# Altium PCB PCB1.PcbDoc (part 1 of 15) (continued)
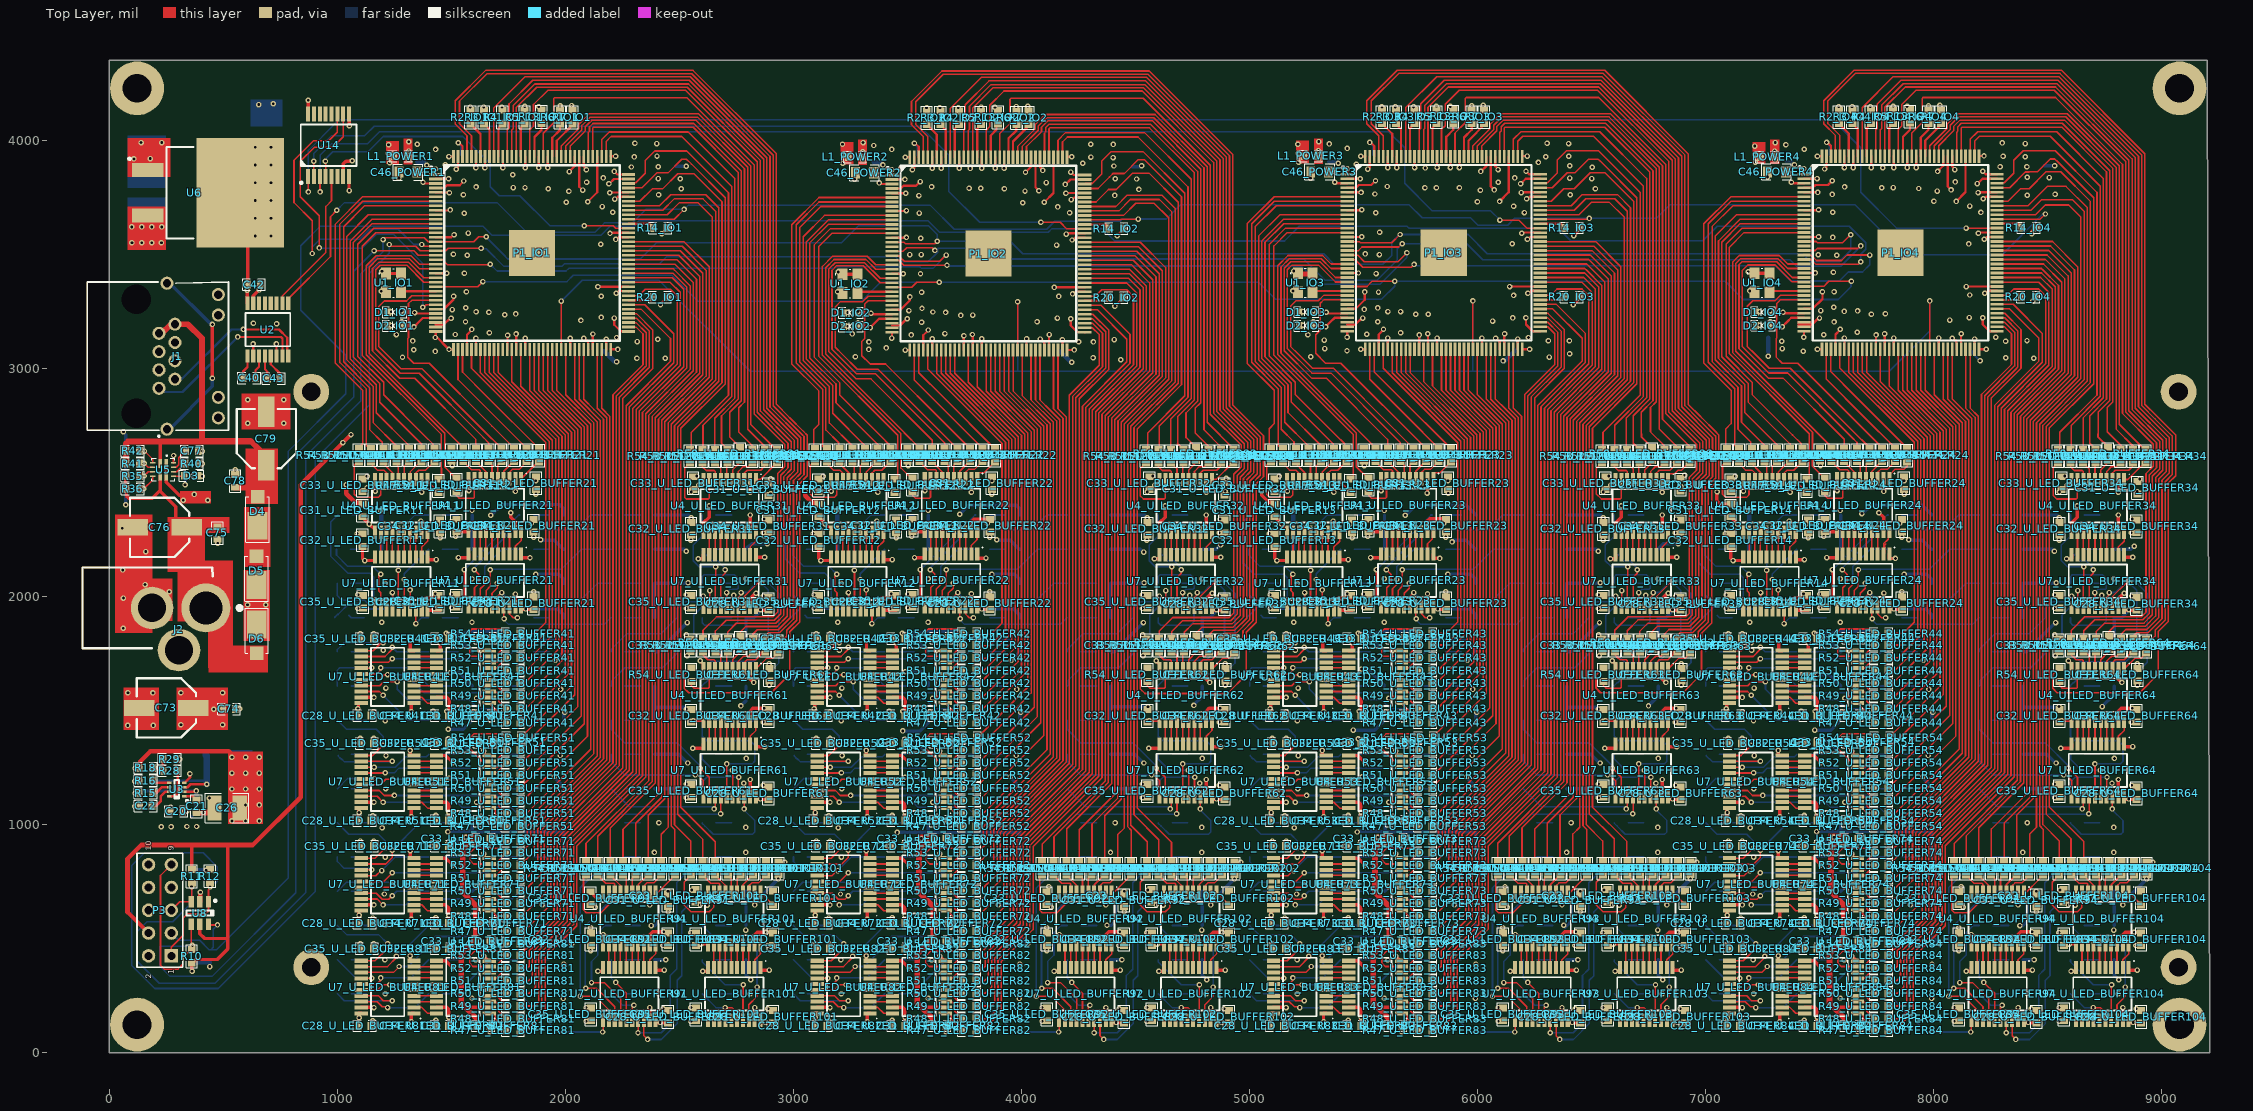
[diagram p0: Top Layer view]
## Components (designator, comment, footprint, x,y, rotation, side; value= is the part's Value field where it differs from the comment)
C1_IO1 "0.1uF/16V" 0603C 1190.83,3381.42 r90 bottom
C1_IO2 "0.1uF/16V" 0603C 3191.93,3378.82 r90 bottom
C1_IO3 "0.1uF/16V" 0603C 5188.83,3382.27 r90 bottom
C1_IO4 "0.1uF/16V" 0603C 7191.83,3382.42 r90 bottom
C2_POWER1 "0.01uF/16V" 0603C 1323.83,3905.87 r0 bottom
C2_POWER2 "0.01uF/16V" 0603C 3324.93,3903.27 r0 bottom
C2_POWER3 "0.01uF/16V" 0603C 5321.83,3906.72 r0 bottom
C2_POWER4 "0.01uF/16V" 0603C 7324.83,3906.87 r0 bottom
C3_POWER1 "0.01uF/16V" 0603C 2093.83,3862.42 r270 bottom
C3_POWER2 "0.01uF/16V" 0603C 4094.93,3859.82 r270 bottom
C3_POWER3 "0.01uF/16V" 0603C 6091.83,3863.27 r270 bottom
C3_POWER4 "0.01uF/16V" 0603C 8094.83,3863.42 r270 bottom
C4_POWER1 "0.1uF/16V" 0603C 2349.83,3985.87 r0 bottom
C4_POWER2 "0.1uF/16V" 0603C 4350.93,3983.27 r0 bottom
C4_POWER3 "0.1uF/16V" 0603C 6347.83,3986.72 r0 bottom
C4_POWER4 "0.1uF/16V" 0603C 8350.83,3986.87 r0 bottom
C5_POWER1 "0.1uF/16V" 0603C 1323.83,3960.87 r0 bottom
C5_POWER2 "0.1uF/16V" 0603C 3324.93,3958.27 r0 bottom
C5_POWER3 "0.1uF/16V" 0603C 5321.83,3961.72 r0 bottom
C5_POWER4 "0.1uF/16V" 0603C 7324.83,3961.87 r0 bottom
C6_POWER1 "0.1uF/16V" 0603C 1458.83,3940.87 r180 bottom
C6_POWER2 "0.1uF/16V" 0603C 3459.93,3938.27 r180 bottom
C6_POWER3 "0.1uF/16V" 0603C 5456.83,3941.72 r180 bottom
C6_POWER4 "0.1uF/16V" 0603C 7459.83,3941.87 r180 bottom
C7_POWER1 "0.47uF/16V" 0603C 2362.83,3118.87 r180 bottom
C7_POWER2 "0.47uF/16V" 0603C 4363.93,3116.27 r180 bottom
C7_POWER3 "0.47uF/16V" 0603C 6360.83,3119.72 r180 bottom
C7_POWER4 "0.47uF/16V" 0603C 8363.83,3119.87 r180 bottom
C9_POWER1 "0.1uF/16V" 0603C 1543.65,3908.54 r90 bottom
C9_POWER2 "0.1uF/16V" 0603C 3544.75,3905.94 r90 bottom
C9_POWER3 "0.1uF/16V" 0603C 5541.65,3909.39 r90 bottom
C9_POWER4 "0.1uF/16V" 0603C 7544.65,3909.54 r90 bottom
C10_POWER1 "10uF/25V" 0805C 2377.83,3045.87 r0 bottom
C10_POWER2 "10uF/25V" 0805C 4378.93,3043.27 r0 bottom
C10_POWER3 "10uF/25V" 0805C 6375.83,3046.72 r0 bottom
C10_POWER4 "10uF/25V" 0805C 8378.83,3046.87 r0 bottom
C11_POWER1 "22uF/10V" 0603C 2349.83,3927.87 r180 bottom
C11_POWER2 "22uF/10V" 0603C 4350.93,3925.27 r180 bottom
C11_POWER3 "22uF/10V" 0603C 6347.83,3928.72 r180 bottom
C11_POWER4 "22uF/10V" 0603C 8350.83,3928.87 r180 bottom
C12_POWER1 "0.1uF/16V" 0603C 1457.83,3878.87 r0 bottom
C12_POWER2 "0.1uF/16V" 0603C 3458.93,3876.27 r0 bottom
C12_POWER3 "0.1uF/16V" 0603C 5455.83,3879.72 r0 bottom
C12_POWER4 "0.1uF/16V" 0603C 7458.83,3879.87 r0 bottom
C13_POWER1 "0.1uF/16V" 0603C 1429.83,3119.87 r270 bottom
C13_POWER2 "0.1uF/16V" 0603C 3430.93,3117.27 r270 bottom
C13_POWER3 "0.1uF/16V" 0603C 5427.83,3120.72 r270 bottom
C13_POWER4 "0.1uF/16V" 0603C 7430.83,3120.87 r270 bottom
C15_POWER1 "0.1uF/16V" 0603C 2230.83,3710.87 r270 bottom
C15_POWER2 "0.1uF/16V" 0603C 4231.93,3708.27 r270 bottom
C15_POWER3 "0.1uF/16V" 0603C 6228.83,3711.72 r270 bottom
C15_POWER4 "0.1uF/16V" 0603C 8231.83,3711.87 r270 bottom
C16_POWER1 "0.1uF/16V" 0603C 1518.83,3336.87 r0 bottom
C16_POWER2 "0.1uF/16V" 0603C 3519.93,3334.27 r0 bottom
C16_POWER3 "0.1uF/16V" 0603C 5516.83,3337.72 r0 bottom
C16_POWER4 "0.1uF/16V" 0603C 7519.83,3337.87 r0 bottom
C17_POWER1 "0.1uF/16V" 0603C 1495.83,3120.87 r90 bottom
C17_POWER2 "0.1uF/16V" 0603C 3496.93,3118.27 r90 bottom
C17_POWER3 "0.1uF/16V" 0603C 5493.83,3121.72 r90 bottom
C17_POWER4 "0.1uF/16V" 0603C 7496.83,3121.87 r90 bottom
C18 "1uF/16V" 0603C 160.02,1192.13 r180 bottom
C19 "22uF/25V" 1210C 304.82,1032.33 r0 bottom
C20 "0.1uF/50V" 0603C 293.22,1057.83 r0 top
C21 "1nF/63V" 0603C 382.82,1080.39 r90 top
C22 "6.8nF/50V" 0603C 160.02,1081.65 r0 top
C23_POWER1 "0.1uF/16V" 0603C 1785.83,3190.87 r90 bottom
C23_POWER2 "0.1uF/16V" 0603C 3786.93,3188.27 r90 bottom
C23_POWER3 "0.1uF/16V" 0603C 5783.83,3191.72 r90 bottom
C23_POWER4 "0.1uF/16V" 0603C 7786.83,3191.87 r90 bottom
C24_POWER1 "0.1uF/16V" 0603C 2247.83,3108.31 r90 bottom
C24_POWER2 "0.1uF/16V" 0603C 4248.93,3105.71 r90 bottom
C24_POWER3 "0.1uF/16V" 0603C 6245.83,3109.16 r90 bottom
C24_POWER4 "0.1uF/16V" 0603C 8248.83,3109.31 r90 bottom
C25 "10pF/50V" 0603C 160.32,1248.03 r0 bottom
C26 "22uF/25V" 1210C 516.74,1072.43 r0 top value=2.2uF/50V
C27 "22uF/25V" 1210C 516.74,1072.43 r0 bottom value=10uF/63V
C28_U_LED_BUFFER11 "0.1uF/16V" 0603C 1444.56,1977.4 r90 top
C28_U_LED_BUFFER12 "0.1uF/16V" 0603C 3444.56,1977.4 r90 top
C28_U_LED_BUFFER13 "0.1uF/16V" 0603C 5444.56,1977.4 r90 top
C28_U_LED_BUFFER14 "0.1uF/16V" 0603C 7444.56,1977.4 r90 top
C28_U_LED_BUFFER21 "0.1uF/16V" 0603C 1861.23,1970.5 r90 top
C28_U_LED_BUFFER22 "0.1uF/16V" 0603C 3861.23,1970.5 r90 top
C28_U_LED_BUFFER23 "0.1uF/16V" 0603C 5861.23,1970.5 r90 top
C28_U_LED_BUFFER24 "0.1uF/16V" 0603C 7861.23,1970.5 r90 top
C28_U_LED_BUFFER31 "0.1uF/16V" 0603C 2890.63,1967.16 r90 top
C28_U_LED_BUFFER32 "0.1uF/16V" 0603C 4890.63,1967.16 r90 top
C28_U_LED_BUFFER33 "0.1uF/16V" 0603C 6890.63,1967.16 r90 top
C28_U_LED_BUFFER34 "0.1uF/16V" 0603C 8890.63,1967.16 r90 top
C28_U_LED_BUFFER41 "0.1uF/16V" 0603C 1120.63,1477.16 r0 top
C28_U_LED_BUFFER42 "0.1uF/16V" 0603C 3120.63,1477.16 r0 top
C28_U_LED_BUFFER43 "0.1uF/16V" 0603C 5120.63,1477.16 r0 top
C28_U_LED_BUFFER44 "0.1uF/16V" 0603C 7120.63,1477.16 r0 top
C28_U_LED_BUFFER51 "0.1uF/16V" 0603C 1120.63,1017.16 r0 top
C28_U_LED_BUFFER52 "0.1uF/16V" 0603C 3120.63,1017.16 r0 top
C28_U_LED_BUFFER53 "0.1uF/16V" 0603C 5120.63,1017.16 r0 top
C28_U_LED_BUFFER54 "0.1uF/16V" 0603C 7120.63,1017.16 r0 top
C28_U_LED_BUFFER61 "0.1uF/16V" 0603C 2890.63,1137.16 r90 top
C28_U_LED_BUFFER62 "0.1uF/16V" 0603C 4890.63,1137.16 r90 top
C28_U_LED_BUFFER63 "0.1uF/16V" 0603C 6890.63,1137.16 r90 top
C28_U_LED_BUFFER64 "0.1uF/16V" 0603C 8890.63,1137.16 r90 top
C28_U_LED_BUFFER71 "0.1uF/16V" 0603C 1120.63,567.16 r0 top
C28_U_LED_BUFFER72 "0.1uF/16V" 0603C 3120.63,567.16 r0 top
C28_U_LED_BUFFER73 "0.1uF/16V" 0603C 5120.63,567.16 r0 top
C28_U_LED_BUFFER74 "0.1uF/16V" 0603C 7120.63,567.16 r0 top
C28_U_LED_BUFFER81 "0.1uF/16V" 0603C 1120.63,117.16 r0 top
C28_U_LED_BUFFER82 "0.1uF/16V" 0603C 3120.63,117.16 r0 top
C28_U_LED_BUFFER83 "0.1uF/16V" 0603C 5120.63,117.16 r0 top
C28_U_LED_BUFFER84 "0.1uF/16V" 0603C 7120.63,117.16 r0 top
C28_U_LED_BUFFER91 "0.1uF/16V" 0603C 2450.63,157.16 r90 top
C28_U_LED_BUFFER92 "0.1uF/16V" 0603C 4450.63,157.16 r90 top
C28_U_LED_BUFFER93 "0.1uF/16V" 0603C 6450.63,157.16 r90 top
C28_U_LED_BUFFER94 "0.1uF/16V" 0603C 8450.63,157.16 r90 top
C28_U_LED_BUFFER101 "0.1uF/16V" 0603C 2910.63,157.16 r90 top
C28_U_LED_BUFFER102 "0.1uF/16V" 0603C 4910.63,157.16 r90 top
C28_U_LED_BUFFER103 "0.1uF/16V" 0603C 6910.63,157.16 r90 top
C28_U_LED_BUFFER104 "0.1uF/16V" 0603C 8910.63,157.16 r90 top
C29 "22uF/25V" 1210C 169.61,3770.31 r270 bottom value=0.1uF/16V
C30 "22uF/25V" 1210C 689.61,4050.31 r270 bottom
C31_U_LED_BUFFER11 "0.1uF/16V" 0603C 1110.63,2377.16 r90 top
C31_U_LED_BUFFER12 "0.1uF/16V" 0603C 3110.63,2377.16 r90 top
C31_U_LED_BUFFER13 "0.1uF/16V" 0603C 5110.63,2377.16 r90 top
C31_U_LED_BUFFER14 "0.1uF/16V" 0603C 7110.63,2377.16 r90 top
C31_U_LED_BUFFER21 "0.1uF/16V" 0603C 1870.63,2497.16 r270 top
C31_U_LED_BUFFER22 "0.1uF/16V" 0603C 3870.63,2497.16 r270 top
C31_U_LED_BUFFER23 "0.1uF/16V" 0603C 5870.63,2497.16 r270 top
C31_U_LED_BUFFER24 "0.1uF/16V" 0603C 7870.63,2497.16 r270 top
C31_U_LED_BUFFER31 "0.1uF/16V" 0603C 2890.63,2469.69 r270 top
C31_U_LED_BUFFER32 "0.1uF/16V" 0603C 4890.63,2471.54 r270 top
C31_U_LED_BUFFER33 "0.1uF/16V" 0603C 6891.2,2490.63 r270 top
C31_U_LED_BUFFER34 "0.1uF/16V" 0603C 8893.67,2476.88 r270 top
C31_U_LED_BUFFER41 "0.1uF/16V" 0603C 1640.63,1477.16 r180 top
C31_U_LED_BUFFER42 "0.1uF/16V" 0603C 3640.63,1477.16 r180 top
C31_U_LED_BUFFER43 "0.1uF/16V" 0603C 5640.63,1477.16 r180 top
C31_U_LED_BUFFER44 "0.1uF/16V" 0603C 7640.63,1477.16 r180 top
C31_U_LED_BUFFER51 "0.1uF/16V" 0603C 1647.56,1015.35 r180 top
C31_U_LED_BUFFER52 "0.1uF/16V" 0603C 3647.56,1015.35 r180 top
C31_U_LED_BUFFER53 "0.1uF/16V" 0603C 5647.56,1015.35 r180 top
C31_U_LED_BUFFER54 "0.1uF/16V" 0603C 7647.56,1015.35 r180 top
C31_U_LED_BUFFER61 "0.1uF/16V" 0603C 2895.08,1657.16 r270 top
C31_U_LED_BUFFER62 "0.1uF/16V" 0603C 4895.08,1657.16 r270 top
C31_U_LED_BUFFER63 "0.1uF/16V" 0603C 6895.08,1657.16 r270 top
C31_U_LED_BUFFER64 "0.1uF/16V" 0603C 8895.08,1657.16 r270 top
C31_U_LED_BUFFER71 "0.1uF/16V" 0603C 1650.63,567.16 r180 top
C31_U_LED_BUFFER72 "0.1uF/16V" 0603C 3650.63,567.16 r180 top
C31_U_LED_BUFFER73 "0.1uF/16V" 0603C 5650.63,567.16 r180 top
C31_U_LED_BUFFER74 "0.1uF/16V" 0603C 7650.63,567.16 r180 top
C31_U_LED_BUFFER81 "0.1uF/16V" 0603C 1640.63,117.16 r180 top
C31_U_LED_BUFFER82 "0.1uF/16V" 0603C 3640.63,117.16 r180 top
C31_U_LED_BUFFER83 "0.1uF/16V" 0603C 5640.63,117.16 r180 top
C31_U_LED_BUFFER84 "0.1uF/16V" 0603C 7640.63,117.16 r180 top
C31_U_LED_BUFFER91 "0.1uF/16V" 0603C 2450.63,667.16 r270 top
C31_U_LED_BUFFER92 "0.1uF/16V" 0603C 4450.63,667.16 r270 top
C31_U_LED_BUFFER93 "0.1uF/16V" 0603C 6450.63,667.16 r270 top
C31_U_LED_BUFFER94 "0.1uF/16V" 0603C 8450.63,667.16 r270 top
C31_U_LED_BUFFER101 "0.1uF/16V" 0603C 2935.08,807.16 r270 top
C31_U_LED_BUFFER102 "0.1uF/16V" 0603C 4935.08,807.16 r270 top
C31_U_LED_BUFFER103 "0.1uF/16V" 0603C 6935.08,807.16 r270 top
C31_U_LED_BUFFER104 "0.1uF/16V" 0603C 8935.08,807.16 r270 top
C32_U_LED_BUFFER11 "0.1uF/16V" 0603C 1110.63,2247.16 r270 top
C32_U_LED_BUFFER12 "0.1uF/16V" 0603C 3110.63,2247.16 r270 top
C32_U_LED_BUFFER13 "0.1uF/16V" 0603C 5110.63,2247.16 r270 top
C32_U_LED_BUFFER14 "0.1uF/16V" 0603C 7110.63,2247.16 r270 top
C32_U_LED_BUFFER21 "0.1uF/16V" 0603C 1522.87,2311.25 r270 top
C32_U_LED_BUFFER22 "0.1uF/16V" 0603C 3522.87,2311.25 r270 top
C32_U_LED_BUFFER23 "0.1uF/16V" 0603C 5522.87,2311.25 r270 top
C32_U_LED_BUFFER24 "0.1uF/16V" 0603C 7522.87,2311.25 r270 top
C32_U_LED_BUFFER31 "0.1uF/16V" 0603C 2552.27,2297.16 r270 top
C32_U_LED_BUFFER32 "0.1uF/16V" 0603C 4552.27,2297.16 r270 top
C32_U_LED_BUFFER33 "0.1uF/16V" 0603C 6552.27,2297.16 r270 top
C32_U_LED_BUFFER34 "0.1uF/16V" 0603C 8552.27,2297.16 r270 top
C32_U_LED_BUFFER41 "0.1uF/16V" 0603C 1461.38,1815.53 r180 top
C32_U_LED_BUFFER42 "0.1uF/16V" 0603C 3461.38,1815.53 r180 top
C32_U_LED_BUFFER43 "0.1uF/16V" 0603C 5461.38,1815.53 r180 top
C32_U_LED_BUFFER44 "0.1uF/16V" 0603C 7461.38,1815.53 r180 top
C32_U_LED_BUFFER51 "0.1uF/16V" 0603C 1460.63,1355.53 r180 top
C32_U_LED_BUFFER52 "0.1uF/16V" 0603C 3460.63,1355.53 r180 top
C32_U_LED_BUFFER53 "0.1uF/16V" 0603C 5460.63,1355.53 r180 top
C32_U_LED_BUFFER54 "0.1uF/16V" 0603C 7460.63,1355.53 r180 top
C32_U_LED_BUFFER61 "0.1uF/16V" 0603C 2552.27,1477.16 r270 top
C32_U_LED_BUFFER62 "0.1uF/16V" 0603C 4552.27,1477.16 r270 top
C32_U_LED_BUFFER63 "0.1uF/16V" 0603C 6552.27,1477.16 r270 top
C32_U_LED_BUFFER64 "0.1uF/16V" 0603C 8552.27,1477.16 r270 top
C32_U_LED_BUFFER71 "0.1uF/16V" 0603C 1460.63,905.53 r180 top
C32_U_LED_BUFFER72 "0.1uF/16V" 0603C 3460.63,905.53 r180 top
C32_U_LED_BUFFER73 "0.1uF/16V" 0603C 5460.63,905.53 r180 top
C32_U_LED_BUFFER74 "0.1uF/16V" 0603C 7460.63,905.53 r180 top
C32_U_LED_BUFFER81 "0.1uF/16V" 0603C 1460.63,455.53 r180 top
C32_U_LED_BUFFER82 "0.1uF/16V" 0603C 3460.63,455.53 r180 top
C32_U_LED_BUFFER83 "0.1uF/16V" 0603C 5460.63,455.53 r180 top
C32_U_LED_BUFFER84 "0.1uF/16V" 0603C 7460.63,455.53 r180 top
C32_U_LED_BUFFER91 "0.1uF/16V" 0603C 2112.27,497.16 r270 top
C32_U_LED_BUFFER92 "0.1uF/16V" 0603C 4112.27,497.16 r270 top
C32_U_LED_BUFFER93 "0.1uF/16V" 0603C 6112.27,497.16 r270 top
C32_U_LED_BUFFER94 "0.1uF/16V" 0603C 8112.27,497.16 r270 top
C32_U_LED_BUFFER101 "0.1uF/16V" 0603C 2572.27,497.16 r270 top
C32_U_LED_BUFFER102 "0.1uF/16V" 0603C 4572.27,497.16 r270 top
C32_U_LED_BUFFER103 "0.1uF/16V" 0603C 6572.27,497.16 r270 top
C32_U_LED_BUFFER104 "0.1uF/16V" 0603C 8572.27,497.16 r270 top
C33_U_LED_BUFFER11 "1uF/16V" 0603C 1110.63,2487.16 r90 top
C33_U_LED_BUFFER12 "1uF/16V" 0603C 3110.63,2487.16 r90 top
C33_U_LED_BUFFER13 "1uF/16V" 0603C 5110.63,2487.16 r90 top
C33_U_LED_BUFFER14 "1uF/16V" 0603C 7110.63,2487.16 r90 top
C33_U_LED_BUFFER21 "1uF/16V" 0603C 1501.23,2620.5 r270 top
C33_U_LED_BUFFER22 "1uF/16V" 0603C 3501.23,2620.5 r270 top
C33_U_LED_BUFFER23 "1uF/16V" 0603C 5501.23,2620.5 r270 top
C33_U_LED_BUFFER24 "1uF/16V" 0603C 7501.23,2620.5 r270 top
C33_U_LED_BUFFER31 "1uF/16V" 0603C 2560.89,2497.16 r270 top
C33_U_LED_BUFFER32 "1uF/16V" 0603C 4560.89,2497.16 r270 top
C33_U_LED_BUFFER33 "1uF/16V" 0603C 6560.89,2497.16 r270 top
C33_U_LED_BUFFER34 "1uF/16V" 0603C 8560.89,2497.16 r270 top
C33_U_LED_BUFFER41 "1uF/16V" 0603C 1650.63,1817.16 r180 top
C33_U_LED_BUFFER42 "1uF/16V" 0603C 3650.63,1817.16 r180 top
C33_U_LED_BUFFER43 "1uF/16V" 0603C 5650.63,1817.16 r180 top
C33_U_LED_BUFFER44 "1uF/16V" 0603C 7650.63,1817.16 r180 top
C33_U_LED_BUFFER51 "1uF/16V" 0603C 1646.84,1360.48 r180 top
C33_U_LED_BUFFER52 "1uF/16V" 0603C 3646.84,1360.48 r180 top
C33_U_LED_BUFFER53 "1uF/16V" 0603C 5646.84,1360.48 r180 top
C33_U_LED_BUFFER54 "1uF/16V" 0603C 7646.84,1360.48 r180 top
C33_U_LED_BUFFER61 "1uF/16V" 0603C 2549.06,1786.05 r270 top
C33_U_LED_BUFFER62 "1uF/16V" 0603C 4549.06,1786.05 r270 top
C33_U_LED_BUFFER63 "1uF/16V" 0603C 6549.06,1786.05 r270 top
C33_U_LED_BUFFER64 "1uF/16V" 0603C 8549.06,1786.05 r270 top
C33_U_LED_BUFFER71 "1uF/16V" 0603C 1641.73,937.01 r180 top
C33_U_LED_BUFFER72 "1uF/16V" 0603C 3641.73,937.01 r180 top
C33_U_LED_BUFFER73 "1uF/16V" 0603C 5641.73,937.01 r180 top
C33_U_LED_BUFFER74 "1uF/16V" 0603C 7641.73,937.01 r180 top
C33_U_LED_BUFFER81 "1uF/16V" 0603C 1641.73,488.19 r180 top
C33_U_LED_BUFFER82 "1uF/16V" 0603C 3641.73,488.19 r180 top
C33_U_LED_BUFFER83 "1uF/16V" 0603C 5641.73,488.19 r180 top
C33_U_LED_BUFFER84 "1uF/16V" 0603C 7641.73,488.19 r180 top
C33_U_LED_BUFFER91 "1uF/16V" 0603C 2110.63,677.16 r90 top
C33_U_LED_BUFFER92 "1uF/16V" 0603C 4110.63,677.16 r90 top
C33_U_LED_BUFFER93 "1uF/16V" 0603C 6110.63,677.16 r90 top
C33_U_LED_BUFFER94 "1uF/16V" 0603C 8110.63,677.16 r90 top
C33_U_LED_BUFFER101 "1uF/16V" 0603C 2570.63,687.16 r270 top
C33_U_LED_BUFFER102 "1uF/16V" 0603C 4570.63,687.16 r270 top
C33_U_LED_BUFFER103 "1uF/16V" 0603C 6570.63,687.16 r270 top
C33_U_LED_BUFFER104 "1uF/16V" 0603C 8570.63,687.16 r270 top
C34_U_LED_BUFFER11 "1uF/16V" 0603C 1450.63,2307.16 r270 top
C34_U_LED_BUFFER12 "1uF/16V" 0603C 3450.63,2307.16 r270 top
C34_U_LED_BUFFER13 "1uF/16V" 0603C 5450.63,2307.16 r270 top
C34_U_LED_BUFFER14 "1uF/16V" 0603C 7450.63,2307.16 r270 top
C34_U_LED_BUFFER21 "1uF/16V" 0603C 1861.23,2310.5 r270 top
C34_U_LED_BUFFER22 "1uF/16V" 0603C 3861.23,2310.5 r270 top
C34_U_LED_BUFFER23 "1uF/16V" 0603C 5861.23,2310.5 r270 top
C34_U_LED_BUFFER24 "1uF/16V" 0603C 7861.23,2310.5 r270 top
C34_U_LED_BUFFER31 "1uF/16V" 0603C 2890.63,2307.16 r270 top
C34_U_LED_BUFFER32 "1uF/16V" 0603C 4890.63,2307.16 r270 top
C34_U_LED_BUFFER33 "1uF/16V" 0603C 6890.63,2307.16 r270 top
C34_U_LED_BUFFER34 "1uF/16V" 0603C 8890.63,2307.16 r270 top
C34_U_LED_BUFFER41 "1uF/16V" 0603C 1460.63,1477.16 r180 top
C34_U_LED_BUFFER42 "1uF/16V" 0603C 3460.63,1477.16 r180 top
C34_U_LED_BUFFER43 "1uF/16V" 0603C 5460.63,1477.16 r180 top
C34_U_LED_BUFFER44 "1uF/16V" 0603C 7460.63,1477.16 r180 top
C34_U_LED_BUFFER51 "1uF/16V" 0603C 1460.63,1017.16 r180 top
C34_U_LED_BUFFER52 "1uF/16V" 0603C 3460.63,1017.16 r180 top
C34_U_LED_BUFFER53 "1uF/16V" 0603C 5460.63,1017.16 r180 top
C34_U_LED_BUFFER54 "1uF/16V" 0603C 7460.63,1017.16 r180 top
C34_U_LED_BUFFER61 "1uF/16V" 0603C 2890.63,1477.16 r270 top
C34_U_LED_BUFFER62 "1uF/16V" 0603C 4890.63,1477.16 r270 top
C34_U_LED_BUFFER63 "1uF/16V" 0603C 6890.63,1477.16 r270 top
C34_U_LED_BUFFER64 "1uF/16V" 0603C 8890.63,1477.16 r270 top
C34_U_LED_BUFFER71 "1uF/16V" 0603C 1460.63,567.16 r180 top
C34_U_LED_BUFFER72 "1uF/16V" 0603C 3460.63,567.16 r180 top
C34_U_LED_BUFFER73 "1uF/16V" 0603C 5460.63,567.16 r180 top
C34_U_LED_BUFFER74 "1uF/16V" 0603C 7460.63,567.16 r180 top
C34_U_LED_BUFFER81 "1uF/16V" 0603C 1460.63,117.16 r180 top
C34_U_LED_BUFFER82 "1uF/16V" 0603C 3460.63,117.16 r180 top
C34_U_LED_BUFFER83 "1uF/16V" 0603C 5460.63,117.16 r180 top
C34_U_LED_BUFFER84 "1uF/16V" 0603C 7460.63,117.16 r180 top
C34_U_LED_BUFFER91 "1uF/16V" 0603C 2450.63,497.16 r270 top
C34_U_LED_BUFFER92 "1uF/16V" 0603C 4450.63,497.16 r270 top
C34_U_LED_BUFFER93 "1uF/16V" 0603C 6450.63,497.16 r270 top
C34_U_LED_BUFFER94 "1uF/16V" 0603C 8450.63,497.16 r270 top
C34_U_LED_BUFFER101 "1uF/16V" 0603C 2910.63,497.16 r270 top
C34_U_LED_BUFFER102 "1uF/16V" 0603C 4910.63,497.16 r270 top
C34_U_LED_BUFFER103 "1uF/16V" 0603C 6910.63,497.16 r270 top
C34_U_LED_BUFFER104 "1uF/16V" 0603C 8910.63,497.16 r270 top
C35_U_LED_BUFFER11 "1uF/16V" 0603C 1112.27,1977.16 r90 top
C35_U_LED_BUFFER12 "1uF/16V" 0603C 3112.27,1977.16 r90 top
C35_U_LED_BUFFER13 "1uF/16V" 0603C 5112.27,1977.16 r90 top
C35_U_LED_BUFFER14 "1uF/16V" 0603C 7112.27,1977.16 r90 top
C35_U_LED_BUFFER21 "1uF/16V" 0603C 1522.87,1980.5 r90 top
C35_U_LED_BUFFER22 "1uF/16V" 0603C 3522.87,1980.5 r90 top
C35_U_LED_BUFFER23 "1uF/16V" 0603C 5522.87,1980.5 r90 top
C35_U_LED_BUFFER24 "1uF/16V" 0603C 7522.87,1980.5 r90 top
C35_U_LED_BUFFER31 "1uF/16V" 0603C 2552.27,1977.16 r90 top
C35_U_LED_BUFFER32 "1uF/16V" 0603C 4552.27,1977.16 r90 top
C35_U_LED_BUFFER33 "1uF/16V" 0603C 6552.27,1977.16 r90 top
C35_U_LED_BUFFER34 "1uF/16V" 0603C 8552.27,1977.16 r90 top
C35_U_LED_BUFFER41 "1uF/16V" 0603C 1130.63,1815.53 r0 top
C35_U_LED_BUFFER42 "1uF/16V" 0603C 3130.63,1815.53 r0 top
C35_U_LED_BUFFER43 "1uF/16V" 0603C 5130.63,1815.53 r0 top
C35_U_LED_BUFFER44 "1uF/16V" 0603C 7130.63,1815.53 r0 top
C35_U_LED_BUFFER51 "1uF/16V" 0603C 1130.63,1355.53 r0 top
C35_U_LED_BUFFER52 "1uF/16V" 0603C 3130.63,1355.53 r0 top
C35_U_LED_BUFFER53 "1uF/16V" 0603C 5130.63,1355.53 r0 top
C35_U_LED_BUFFER54 "1uF/16V" 0603C 7130.63,1355.53 r0 top
C35_U_LED_BUFFER61 "1uF/16V" 0603C 2552.27,1147.16 r90 top
C35_U_LED_BUFFER62 "1uF/16V" 0603C 4552.27,1147.16 r90 top
C35_U_LED_BUFFER63 "1uF/16V" 0603C 6552.27,1147.16 r90 top
C35_U_LED_BUFFER64 "1uF/16V" 0603C 8552.27,1147.16 r90 top
C35_U_LED_BUFFER71 "1uF/16V" 0603C 1130.63,905.53 r0 top
C35_U_LED_BUFFER72 "1uF/16V" 0603C 3130.63,905.53 r0 top
C35_U_LED_BUFFER73 "1uF/16V" 0603C 5130.63,905.53 r0 top
C35_U_LED_BUFFER74 "1uF/16V" 0603C 7130.63,905.53 r0 top
C35_U_LED_BUFFER81 "1uF/16V" 0603C 1130.63,455.53 r0 top
C35_U_LED_BUFFER82 "1uF/16V" 0603C 3130.63,455.53 r0 top
C35_U_LED_BUFFER83 "1uF/16V" 0603C 5130.63,455.53 r0 top
C35_U_LED_BUFFER84 "1uF/16V" 0603C 7130.63,455.53 r0 top
C35_U_LED_BUFFER91 "1uF/16V" 0603C 2112.27,167.16 r90 top
C35_U_LED_BUFFER92 "1uF/16V" 0603C 4112.27,167.16 r90 top
C35_U_LED_BUFFER93 "1uF/16V" 0603C 6112.27,167.16 r90 top
C35_U_LED_BUFFER94 "1uF/16V" 0603C 8112.27,167.16 r90 top
C35_U_LED_BUFFER101 "1uF/16V" 0603C 2572.27,167.16 r90 top
C35_U_LED_BUFFER102 "1uF/16V" 0603C 4572.27,167.16 r90 top
C35_U_LED_BUFFER103 "1uF/16V" 0603C 6572.27,167.16 r90 top
C35_U_LED_BUFFER104 "1uF/16V" 0603C 8572.27,167.16 r90 top
C36 "10pF/50V" 0603C 440.37,772.17 r270 bottom value=0.1uF/16V
C37 "10pF/50V" 0603C 441.37,422.27 r90 bottom value=0.1uF/16V
C38 "10pF/50V" 0603C 361.77,770.03 r270 bottom value=0.1uF/16V
C39 "10pF/50V" 0603C 361.67,424.71 r90 bottom value=0.1uF/16V
C40 "0.1uF/50V" 0603C 613.64,2958.27 r180 top value=0.1uF/16V
C41 "0.1uF/50V" 0603C 632.44,3148.67 r270 bottom value=0.1uF/16V
C42 "0.1uF/50V" 0603C 634.74,3367.07 r180 top value=0.1uF/16V
C43 "0.1uF/50V" 0603C 720.7,2956.47 r180 top value=0.1uF/16V
C44 "0.1uF/50V" 0603C 734.84,3148.67 r270 bottom
C45_POWER1 "0.1uF/16V" 0603C 2202.83,3222.87 r180 bottom
C45_POWER2 "0.1uF/16V" 0603C 4203.93,3220.27 r180 bottom
C45_POWER3 "0.1uF/16V" 0603C 6200.83,3223.72 r180 bottom
C45_POWER4 "0.1uF/16V" 0603C 8203.83,3223.87 r180 bottom
C46_POWER1 "10uF/25V" 0805C 1310.2,3860.87 r0 top
C46_POWER2 "10uF/25V" 0805C 3311.3,3858.27 r0 top
C46_POWER3 "10uF/25V" 0805C 5308.2,3861.72 r0 top
C46_POWER4 "10uF/25V" 0805C 7311.2,3861.87 r0 top
C47_POWER1 "0.47uF/16V" 0603C 2241.83,3882.87 r0 bottom
C47_POWER2 "0.47uF/16V" 0603C 4242.93,3880.27 r0 bottom
C47_POWER3 "0.47uF/16V" 0603C 6239.83,3883.72 r0 bottom
C47_POWER4 "0.47uF/16V" 0603C 8242.83,3883.87 r0 bottom
C48_POWER1 "0.1uF/16V" 0603C 1301.83,3133.87 r180 bottom
C48_POWER2 "0.1uF/16V" 0603C 3302.93,3131.27 r180 bottom
C48_POWER3 "0.1uF/16V" 0603C 5299.83,3134.72 r180 bottom
C48_POWER4 "0.1uF/16V" 0603C 7302.83,3134.87 r180 bottom
C49_POWER1 "0.1uF/16V" 0603C 1506.83,3761.87 r0 bottom
C49_POWER2 "0.1uF/16V" 0603C 3507.93,3759.27 r0 bottom
C49_POWER3 "0.1uF/16V" 0603C 5504.83,3762.72 r0 bottom
C49_POWER4 "0.1uF/16V" 0603C 7507.83,3762.87 r0 bottom
C51_POWER1 "0.1uF/16V" 0603C 1507.83,3818.87 r0 bottom
C51_POWER2 "0.1uF/16V" 0603C 3508.93,3816.27 r0 bottom
C51_POWER3 "0.1uF/16V" 0603C 5505.83,3819.72 r0 bottom
C51_POWER4 "0.1uF/16V" 0603C 7508.83,3819.87 r0 bottom
C52_POWER1 "0.1uF/16V" 0603C 1517.83,3264.87 r0 bottom
C52_POWER2 "0.1uF/16V" 0603C 3518.93,3262.27 r0 bottom
C52_POWER3 "0.1uF/16V" 0603C 5515.83,3265.72 r0 bottom
C52_POWER4 "0.1uF/16V" 0603C 7518.83,3265.87 r0 bottom
C53_POWER1 "0.01uF/16V" 0603C 1516.83,3203.87 r0 bottom
C53_POWER2 "0.01uF/16V" 0603C 3517.93,3201.27 r0 bottom
C53_POWER3 "0.01uF/16V" 0603C 5514.83,3204.72 r0 bottom
C53_POWER4 "0.01uF/16V" 0603C 7517.83,3204.87 r0 bottom
C54_POWER1 "0.47uF/16V" 0603C 2167.83,3103.31 r270 bottom
C54_POWER2 "0.47uF/16V" 0603C 4168.93,3100.71 r270 bottom
C54_POWER3 "0.47uF/16V" 0603C 6165.83,3104.16 r270 bottom
C54_POWER4 "0.47uF/16V" 0603C 8168.83,3104.31 r270 bottom
C55_POWER1 "10uF/25V" 0805C 2159.83,3771.87 r90 bottom
C55_POWER2 "10uF/25V" 0805C 4160.93,3769.27 r90 bottom
C55_POWER3 "10uF/25V" 0805C 6157.83,3772.72 r90 bottom
C55_POWER4 "10uF/25V" 0805C 8160.83,3772.87 r90 bottom
C56_POWER1 "22uF/10V" 0603C 1302.27,3072.87 r0 bottom
C56_POWER2 "22uF/10V" 0603C 3303.37,3070.27 r0 bottom
C56_POWER3 "22uF/10V" 0603C 5300.27,3073.72 r0 bottom
C56_POWER4 "22uF/10V" 0603C 7303.27,3073.87 r0 bottom
C57_POWER1 "0.1uF/16V" 0603C 1731.83,3189.87 r90 bottom
C57_POWER2 "0.1uF/16V" 0603C 3732.93,3187.27 r90 bottom
C57_POWER3 "0.1uF/16V" 0603C 5729.83,3190.72 r90 bottom
C57_POWER4 "0.1uF/16V" 0603C 7732.83,3190.87 r90 bottom
C58_POWER1 "0.1uF/16V" 0603C 1608.83,3202.87 r90 bottom
C58_POWER2 "0.1uF/16V" 0603C 3609.93,3200.27 r90 bottom
C58_POWER3 "0.1uF/16V" 0603C 5606.83,3203.72 r90 bottom
C58_POWER4 "0.1uF/16V" 0603C 7609.83,3203.87 r90 bottom
C59_POWER1 "0.1uF/16V" 0603C 1509.83,3416.87 r0 bottom
C59_POWER2 "0.1uF/16V" 0603C 3510.93,3414.27 r0 bottom
C59_POWER3 "0.1uF/16V" 0603C 5507.83,3417.72 r0 bottom
C59_POWER4 "0.1uF/16V" 0603C 7510.83,3417.87 r0 bottom
C60_POWER1 "0.1uF/16V" 0603C 1509.83,3681.87 r0 bottom
C60_POWER2 "0.1uF/16V" 0603C 3510.93,3679.27 r0 bottom
C60_POWER3 "0.1uF/16V" 0603C 5507.83,3682.72 r0 bottom
C60_POWER4 "0.1uF/16V" 0603C 7510.83,3682.87 r0 bottom
C61_POWER1 "0.1uF/16V" 0603C 1607.83,3841.87 r270 bottom
C61_POWER2 "0.1uF/16V" 0603C 3608.93,3839.27 r270 bottom
C61_POWER3 "0.1uF/16V" 0603C 5605.83,3842.72 r270 bottom
C61_POWER4 "0.1uF/16V" 0603C 7608.83,3842.87 r270 bottom
C62_POWER1 "0.1uF/16V" 0603C 1821.83,3838.87 r270 bottom
C62_POWER2 "0.1uF/16V" 0603C 3822.93,3836.27 r270 bottom
C62_POWER3 "0.1uF/16V" 0603C 5819.83,3839.72 r270 bottom
C62_POWER4 "0.1uF/16V" 0603C 7822.83,3839.87 r270 bottom
C64_POWER1 "0.1uF/16V" 0603C 2015.83,3823.87 r270 bottom
C64_POWER2 "0.1uF/16V" 0603C 4016.93,3821.27 r270 bottom
C64_POWER3 "0.1uF/16V" 0603C 6013.83,3824.72 r270 bottom
C64_POWER4 "0.1uF/16V" 0603C 8016.83,3824.87 r270 bottom
C65_POWER1 "0.1uF/16V" 0603C 2205.33,3317.78 r180 bottom
C65_POWER2 "0.1uF/16V" 0603C 4206.43,3315.18 r180 bottom
C65_POWER3 "0.1uF/16V" 0603C 6203.33,3318.63 r180 bottom
C65_POWER4 "0.1uF/16V" 0603C 8206.33,3318.78 r180 bottom
C66_POWER1 "0.1uF/16V" 0603C 2067.83,3163.31 r90 bottom
C66_POWER2 "0.1uF/16V" 0603C 4068.93,3160.71 r90 bottom
C66_POWER3 "0.1uF/16V" 0603C 6065.83,3164.16 r90 bottom
C66_POWER4 "0.1uF/16V" 0603C 8068.83,3164.31 r90 bottom
C67_POWER1 "0.1uF/16V" 0603C 2200.83,3544.87 r180 bottom
C67_POWER2 "0.1uF/16V" 0603C 4201.93,3542.27 r180 bottom
C67_POWER3 "0.1uF/16V" 0603C 6198.83,3545.72 r180 bottom
C67_POWER4 "0.1uF/16V" 0603C 8201.83,3545.87 r180 bottom
C68_POWER1 "0.47uF/16V" 0603C 1665.83,3203.31 r90 bottom
C68_POWER2 "0.47uF/16V" 0603C 3666.93,3200.71 r90 bottom
C68_POWER3 "0.47uF/16V" 0603C 5663.83,3204.16 r90 bottom
C68_POWER4 "0.47uF/16V" 0603C 7666.83,3204.31 r90 bottom
C69_POWER1 "10uF/25V" 0805C 1531.83,3522.87 r0 bottom
C69_POWER2 "10uF/25V" 0805C 3532.93,3520.27 r0 bottom
C69_POWER3 "10uF/25V" 0805C 5529.83,3523.72 r0 bottom
C69_POWER4 "10uF/25V" 0805C 7532.83,3523.87 r0 bottom
C70_POWER1 "10uF/25V" 0805C 2469.2,3759.87 r180 bottom
C70_POWER2 "10uF/25V" 0805C 4470.3,3757.27 r180 bottom
C70_POWER3 "10uF/25V" 0805C 6467.2,3760.72 r180 bottom
C70_POWER4 "10uF/25V" 0805C 8470.2,3760.87 r180 bottom
C71_POWER1 "22uF/10V" 0603C 1771.49,3837.45 r90 bottom
C71_POWER2 "22uF/10V" 0603C 3772.59,3834.85 r90 bottom
C71_POWER3 "22uF/10V" 0603C 5769.49,3838.3 r90 bottom
C71_POWER4 "22uF/10V" 0603C 7772.49,3838.45 r90 bottom
C72_POWER1 "22uF/10V" 0603C 2454.2,3831.87 r180 bottom
C72_POWER2 "22uF/10V" 0603C 4455.3,3829.27 r180 bottom
C72_POWER3 "22uF/10V" 0603C 6452.2,3832.72 r180 bottom
C72_POWER4 "22uF/10V" 0603C 8455.2,3832.87 r180 bottom
C73 "10uF/63V" EEE-FN1J100L 250.14,1511.47 r180 top
C74 "2.2uF/50V" 0603C 524.68,1507.07 r180 top
C75 "2.2uF/50V" 0603C 474.24,2278.27 r90 top
C76 "10uF/63V" EEE-FN1J100L 221.24,2303.27 r180 top
C77 "2.2uF/50V" 0603C 362.78,2638.34 r180 top
C78 "2.2uF/50V" 0603C 552.34,2506.57 r270 top
C79 "10uF/63V" EEE-FN1J100L 688.64,2692.47 r90 top
D1_IO1 "LEDR" LED_0603 1252.13,3246.07 r180 top value=RED
D1_IO2 "LEDR" LED_0603 3253.23,3243.47 r180 top value=RED
D1_IO3 "LEDR" LED_0603 5250.13,3246.91 r180 top value=RED
D1_IO4 "LEDR" LED_0603 7253.13,3247.07 r180 top value=RED
D2_IO1 "LEDR" LED_0603 1252.13,3186.77 r180 top value=RED
D2_IO2 "LEDR" LED_0603 3253.23,3184.17 r180 top value=RED
D2_IO3 "LEDR" LED_0603 5250.13,3187.61 r180 top value=RED
D2_IO4 "LEDR" LED_0603 7253.13,3187.77 r180 top value=RED
D3 "LEDR" LED_0603 360.16,2529.18 r180 top value=100V
D4 "V8PAM10S-M3_H" V8PAM10SHM3H 650.54,2353.17 r90 top value=100V
D5 "V8PAM10S-M3_H" V8PAM10SHM3H 645.94,2093.34 r90 top
D6 "V8PAM10S-M3_H" V8PAM10SHM3H 646.44,1833.73 r270 top
D7_U_LED_BUFFER11 "LEDG" LED_0603 1560.63,1907.16 r180 bottom value=GREEN
D7_U_LED_BUFFER12 "LEDG" LED_0603 3560.63,1907.16 r180 bottom value=GREEN
D7_U_LED_BUFFER13 "LEDG" LED_0603 5560.63,1907.16 r180 bottom value=GREEN
D7_U_LED_BUFFER14 "LEDG" LED_0603 7560.63,1907.16 r180 bottom value=GREEN
D7_U_LED_BUFFER21 "LEDG" LED_0603 1960.63,1907.16 r180 bottom value=GREEN
D7_U_LED_BUFFER22 "LEDG" LED_0603 3960.63,1907.16 r180 bottom value=GREEN
D7_U_LED_BUFFER23 "LEDG" LED_0603 5960.63,1907.16 r180 bottom value=GREEN
D7_U_LED_BUFFER24 "LEDG" LED_0603 7960.63,1907.16 r180 bottom value=GREEN
D7_U_LED_BUFFER31 "LEDG" LED_0603 2760.63,1757.16 r180 bottom value=GREEN
D7_U_LED_BUFFER32 "LEDG" LED_0603 4760.63,1757.16 r180 bottom value=GREEN
D7_U_LED_BUFFER33 "LEDG" LED_0603 6760.63,1757.16 r180 bottom value=GREEN
D7_U_LED_BUFFER34 "LEDG" LED_0603 8760.63,1757.16 r180 bottom value=GREEN
D7_U_LED_BUFFER41 "LEDG" LED_0603 1560.63,1457.16 r180 bottom value=GREEN
D7_U_LED_BUFFER42 "LEDG" LED_0603 3560.63,1457.16 r180 bottom value=GREEN
D7_U_LED_BUFFER43 "LEDG" LED_0603 5560.63,1457.16 r180 bottom value=GREEN
D7_U_LED_BUFFER44 "LEDG" LED_0603 7560.63,1457.16 r180 bottom value=GREEN
D7_U_LED_BUFFER51 "LEDG" LED_0603 1960.63,1007.16 r180 bottom value=GREEN
D7_U_LED_BUFFER52 "LEDG" LED_0603 3960.63,1007.16 r180 bottom value=GREEN
D7_U_LED_BUFFER53 "LEDG" LED_0603 5960.63,1007.16 r180 bottom value=GREEN
D7_U_LED_BUFFER54 "LEDG" LED_0603 7960.63,1007.16 r180 bottom value=GREEN
D7_U_LED_BUFFER61 "LEDG" LED_0603 2760.63,1007.16 r180 bottom value=GREEN
D7_U_LED_BUFFER62 "LEDG" LED_0603 4760.63,1007.16 r180 bottom value=GREEN
D7_U_LED_BUFFER63 "LEDG" LED_0603 6760.63,1007.16 r180 bottom value=GREEN
D7_U_LED_BUFFER64 "LEDG" LED_0603 8760.63,1007.16 r180 bottom value=GREEN
D7_U_LED_BUFFER71 "LEDG" LED_0603 1960.63,707.16 r180 bottom value=GREEN
D7_U_LED_BUFFER72 "LEDG" LED_0603 3960.63,707.16 r180 bottom value=GREEN
D7_U_LED_BUFFER73 "LEDG" LED_0603 5960.63,707.16 r180 bottom value=GREEN
D7_U_LED_BUFFER74 "LEDG" LED_0603 7960.63,707.16 r180 bottom value=GREEN
D7_U_LED_BUFFER81 "LEDG" LED_0603 1560.63,257.16 r180 bottom value=GREEN
D7_U_LED_BUFFER82 "LEDG" LED_0603 3560.63,257.16 r180 bottom value=GREEN
D7_U_LED_BUFFER83 "LEDG" LED_0603 5560.63,257.16 r180 bottom value=GREEN
D7_U_LED_BUFFER84 "LEDG" LED_0603 7560.63,257.16 r180 bottom value=GREEN
D7_U_LED_BUFFER91 "LEDG" LED_0603 2760.63,707.16 r180 bottom value=GREEN
D7_U_LED_BUFFER92 "LEDG" LED_0603 4760.63,707.16 r180 bottom value=GREEN
D7_U_LED_BUFFER93 "LEDG" LED_0603 6760.63,707.16 r180 bottom value=GREEN
D7_U_LED_BUFFER94 "LEDG" LED_0603 8760.63,707.16 r180 bottom value=GREEN
D7_U_LED_BUFFER101 "LEDG" LED_0603 2760.63,557.16 r180 bottom value=GREEN
D7_U_LED_BUFFER102 "LEDG" LED_0603 4760.63,557.16 r180 bottom value=GREEN
D7_U_LED_BUFFER103 "LEDG" LED_0603 6760.63,557.16 r180 bottom value=GREEN
D7_U_LED_BUFFER104 "LEDG" LED_0603 8760.63,557.16 r180 bottom value=GREEN
D8_U_LED_BUFFER11 "LEDG" LED_0603 1560.63,2057.16 r180 bottom value=GREEN
D8_U_LED_BUFFER12 "LEDG" LED_0603 3560.63,2057.16 r180 bottom value=GREEN
D8_U_LED_BUFFER13 "LEDG" LED_0603 5560.63,2057.16 r180 bottom value=GREEN
D8_U_LED_BUFFER14 "LEDG" LED_0603 7560.63,2057.16 r180 bottom value=GREEN
D8_U_LED_BUFFER21 "LEDG" LED_0603 2360.63,1907.16 r180 bottom value=GREEN
D8_U_LED_BUFFER22 "LEDG" LED_0603 4360.63,1907.16 r180 bottom value=GREEN
D8_U_LED_BUFFER23 "LEDG" LED_0603 6360.63,1907.16 r180 bottom value=GREEN
D8_U_LED_BUFFER24 "LEDG" LED_0603 8360.63,1907.16 r180 bottom value=GREEN
D8_U_LED_BUFFER31 "LEDG" LED_0603 2760.63,1607.16 r180 bottom value=GREEN
D8_U_LED_BUFFER32 "LEDG" LED_0603 4760.63,1607.16 r180 bottom value=GREEN
D8_U_LED_BUFFER33 "LEDG" LED_0603 6760.63,1607.16 r180 bottom value=GREEN
D8_U_LED_BUFFER34 "LEDG" LED_0603 8760.63,1607.16 r180 bottom value=GREEN
D8_U_LED_BUFFER41 "LEDG" LED_0603 1960.63,1457.16 r180 bottom value=GREEN
D8_U_LED_BUFFER42 "LEDG" LED_0603 3960.63,1457.16 r180 bottom value=GREEN
D8_U_LED_BUFFER43 "LEDG" LED_0603 5960.63,1457.16 r180 bottom value=GREEN
D8_U_LED_BUFFER44 "LEDG" LED_0603 7960.63,1457.16 r180 bottom value=GREEN
D8_U_LED_BUFFER51 "LEDG" LED_0603 1960.63,1157.16 r180 bottom value=GREEN
D8_U_LED_BUFFER52 "LEDG" LED_0603 3960.63,1157.16 r180 bottom value=GREEN
D8_U_LED_BUFFER53 "LEDG" LED_0603 5960.63,1157.16 r180 bottom value=GREEN
D8_U_LED_BUFFER54 "LEDG" LED_0603 7960.63,1157.16 r180 bottom value=GREEN
D8_U_LED_BUFFER61 "LEDG" LED_0603 2760.63,1157.16 r180 bottom value=GREEN
D8_U_LED_BUFFER62 "LEDG" LED_0603 4760.63,1157.16 r180 bottom value=GREEN
D8_U_LED_BUFFER63 "LEDG" LED_0603 6760.63,1157.16 r180 bottom value=GREEN
D8_U_LED_BUFFER64 "LEDG" LED_0603 8760.63,1157.16 r180 bottom value=GREEN
D8_U_LED_BUFFER71 "LEDG" LED_0603 1560.63,707.16 r180 bottom value=GREEN
D8_U_LED_BUFFER72 "LEDG" LED_0603 3560.63,707.16 r180 bottom value=GREEN
D8_U_LED_BUFFER73 "LEDG" LED_0603 5560.63,707.16 r180 bottom value=GREEN
D8_U_LED_BUFFER74 "LEDG" LED_0603 7560.63,707.16 r180 bottom value=GREEN
D8_U_LED_BUFFER81 "LEDG" LED_0603 1160.63,257.16 r180 bottom value=GREEN
D8_U_LED_BUFFER82 "LEDG" LED_0603 3160.63,257.16 r180 bottom value=GREEN
D8_U_LED_BUFFER83 "LEDG" LED_0603 5160.63,257.16 r180 bottom value=GREEN
D8_U_LED_BUFFER84 "LEDG" LED_0603 7160.63,257.16 r180 bottom value=GREEN
D8_U_LED_BUFFER91 "LEDG" LED_0603 2760.63,857.16 r180 bottom value=GREEN
D8_U_LED_BUFFER92 "LEDG" LED_0603 4760.63,857.16 r180 bottom value=GREEN
D8_U_LED_BUFFER93 "LEDG" LED_0603 6760.63,857.16 r180 bottom value=GREEN
D8_U_LED_BUFFER94 "LEDG" LED_0603 8760.63,857.16 r180 bottom value=GREEN
D8_U_LED_BUFFER101 "LEDG" LED_0603 2760.63,407.16 r180 bottom value=GREEN
D8_U_LED_BUFFER102 "LEDG" LED_0603 4760.63,407.16 r180 bottom value=GREEN
D8_U_LED_BUFFER103 "LEDG" LED_0603 6760.63,407.16 r180 bottom value=GREEN
D8_U_LED_BUFFER104 "LEDG" LED_0603 8760.63,407.16 r180 bottom value=GREEN
D9_U_LED_BUFFER11 "LEDG" LED_0603 1560.63,2207.16 r180 bottom value=GREEN
D9_U_LED_BUFFER12 "LEDG" LED_0603 3560.63,2207.17 r180 bottom value=GREEN
D9_U_LED_BUFFER13 "LEDG" LED_0603 5560.63,2207.16 r180 bottom value=GREEN
D9_U_LED_BUFFER14 "LEDG" LED_0603 7560.63,2207.16 r180 bottom value=GREEN
D9_U_LED_BUFFER21 "LEDG" LED_0603 2360.63,2057.16 r180 bottom value=GREEN
D9_U_LED_BUFFER22 "LEDG" LED_0603 4360.63,2057.16 r180 bottom value=GREEN
D9_U_LED_BUFFER23 "LEDG" LED_0603 6360.63,2057.16 r180 bottom value=GREEN
D9_U_LED_BUFFER24 "LEDG" LED_0603 8360.63,2057.16 r180 bottom value=GREEN
D9_U_LED_BUFFER31 "LEDG" LED_0603 2760.63,1907.16 r180 bottom value=GREEN
D9_U_LED_BUFFER32 "LEDG" LED_0603 4760.63,1907.16 r180 bottom value=GREEN
D9_U_LED_BUFFER33 "LEDG" LED_0603 6760.63,1907.16 r180 bottom value=GREEN
D9_U_LED_BUFFER34 "LEDG" LED_0603 8760.63,1907.16 r180 bottom value=GREEN
D9_U_LED_BUFFER41 "LEDG" LED_0603 1960.63,1607.16 r180 bottom value=GREEN
D9_U_LED_BUFFER42 "LEDG" LED_0603 3960.63,1607.16 r180 bottom value=GREEN
D9_U_LED_BUFFER43 "LEDG" LED_0603 5960.63,1607.16 r180 bottom value=GREEN
D9_U_LED_BUFFER44 "LEDG" LED_0603 7960.63,1607.16 r180 bottom value=GREEN
D9_U_LED_BUFFER51 "LEDG" LED_0603 1560.63,1157.16 r180 bottom value=GREEN
D9_U_LED_BUFFER52 "LEDG" LED_0603 3560.63,1157.16 r180 bottom value=GREEN
D9_U_LED_BUFFER53 "LEDG" LED_0603 5560.63,1157.16 r180 bottom value=GREEN
D9_U_LED_BUFFER54 "LEDG" LED_0603 7560.63,1157.16 r180 bottom value=GREEN
D9_U_LED_BUFFER61 "LEDG" LED_0603 2760.63,1307.16 r180 bottom value=GREEN
D9_U_LED_BUFFER62 "LEDG" LED_0603 4760.63,1307.16 r180 bottom value=GREEN
D9_U_LED_BUFFER63 "LEDG" LED_0603 6760.63,1307.16 r180 bottom value=GREEN
D9_U_LED_BUFFER64 "LEDG" LED_0603 8760.63,1307.16 r180 bottom value=GREEN
D9_U_LED_BUFFER71 "LEDG" LED_0603 1160.63,707.16 r180 bottom value=GREEN
D9_U_LED_BUFFER72 "LEDG" LED_0603 3160.63,707.16 r180 bottom value=GREEN
D9_U_LED_BUFFER73 "LEDG" LED_0603 5160.63,707.16 r180 bottom value=GREEN
D9_U_LED_BUFFER74 "LEDG" LED_0603 7160.63,707.16 r180 bottom value=GREEN
D9_U_LED_BUFFER81 "LEDG" LED_0603 1960.63,407.16 r180 bottom value=GREEN
D9_U_LED_BUFFER82 "LEDG" LED_0603 3960.63,407.16 r180 bottom value=GREEN
D9_U_LED_BUFFER83 "LEDG" LED_0603 5960.63,407.16 r180 bottom value=GREEN
D9_U_LED_BUFFER84 "LEDG" LED_0603 7960.63,407.16 r180 bottom value=GREEN
D9_U_LED_BUFFER91 "LEDG" LED_0603 2360.63,257.16 r180 bottom value=GREEN
D9_U_LED_BUFFER92 "LEDG" LED_0603 4360.63,257.16 r180 bottom value=GREEN
D9_U_LED_BUFFER93 "LEDG" LED_0603 6360.63,257.16 r180 bottom value=GREEN
D9_U_LED_BUFFER94 "LEDG" LED_0603 8360.63,257.16 r180 bottom value=GREEN
D9_U_LED_BUFFER101 "LEDG" LED_0603 2760.63,257.16 r180 bottom value=GREEN
D9_U_LED_BUFFER102 "LEDG" LED_0603 4760.63,257.16 r180 bottom value=GREEN
D9_U_LED_BUFFER103 "LEDG" LED_0603 6760.63,257.16 r180 bottom value=GREEN
D9_U_LED_BUFFER104 "LEDG" LED_0603 8760.63,257.16 r180 bottom value=GREEN
D10_U_LED_BUFFER11 "LEDG" LED_0603 1560.63,2357.16 r180 bottom value=GREEN
D10_U_LED_BUFFER12 "LEDG" LED_0603 3560.63,2357.17 r180 bottom value=GREEN
D10_U_LED_BUFFER13 "LEDG" LED_0603 5560.63,2357.16 r180 bottom value=GREEN
D10_U_LED_BUFFER14 "LEDG" LED_0603 7560.63,2357.16 r180 bottom value=GREEN
D10_U_LED_BUFFER21 "LEDG" LED_0603 1960.63,2057.16 r180 bottom value=GREEN
D10_U_LED_BUFFER22 "LEDG" LED_0603 3960.63,2057.16 r180 bottom value=GREEN
D10_U_LED_BUFFER23 "LEDG" LED_0603 5960.63,2057.16 r180 bottom value=GREEN
D10_U_LED_BUFFER24 "LEDG" LED_0603 7960.63,2057.16 r180 bottom value=GREEN
D10_U_LED_BUFFER31 "LEDG" LED_0603 2760.63,2057.16 r180 bottom value=GREEN
D10_U_LED_BUFFER32 "LEDG" LED_0603 4760.63,2057.16 r180 bottom value=GREEN
D10_U_LED_BUFFER33 "LEDG" LED_0603 6760.63,2057.16 r180 bottom value=GREEN
D10_U_LED_BUFFER34 "LEDG" LED_0603 8760.63,2057.16 r180 bottom value=GREEN
D10_U_LED_BUFFER41 "LEDG" LED_0603 1560.63,1607.16 r180 bottom value=GREEN
D10_U_LED_BUFFER42 "LEDG" LED_0603 3560.63,1607.16 r180 bottom value=GREEN
D10_U_LED_BUFFER43 "LEDG" LED_0603 5560.63,1607.16 r180 bottom value=GREEN
D10_U_LED_BUFFER44 "LEDG" LED_0603 7560.63,1607.16 r180 bottom value=GREEN